# KiCad board FrontEnd_5G.kicad_pcb (continued)
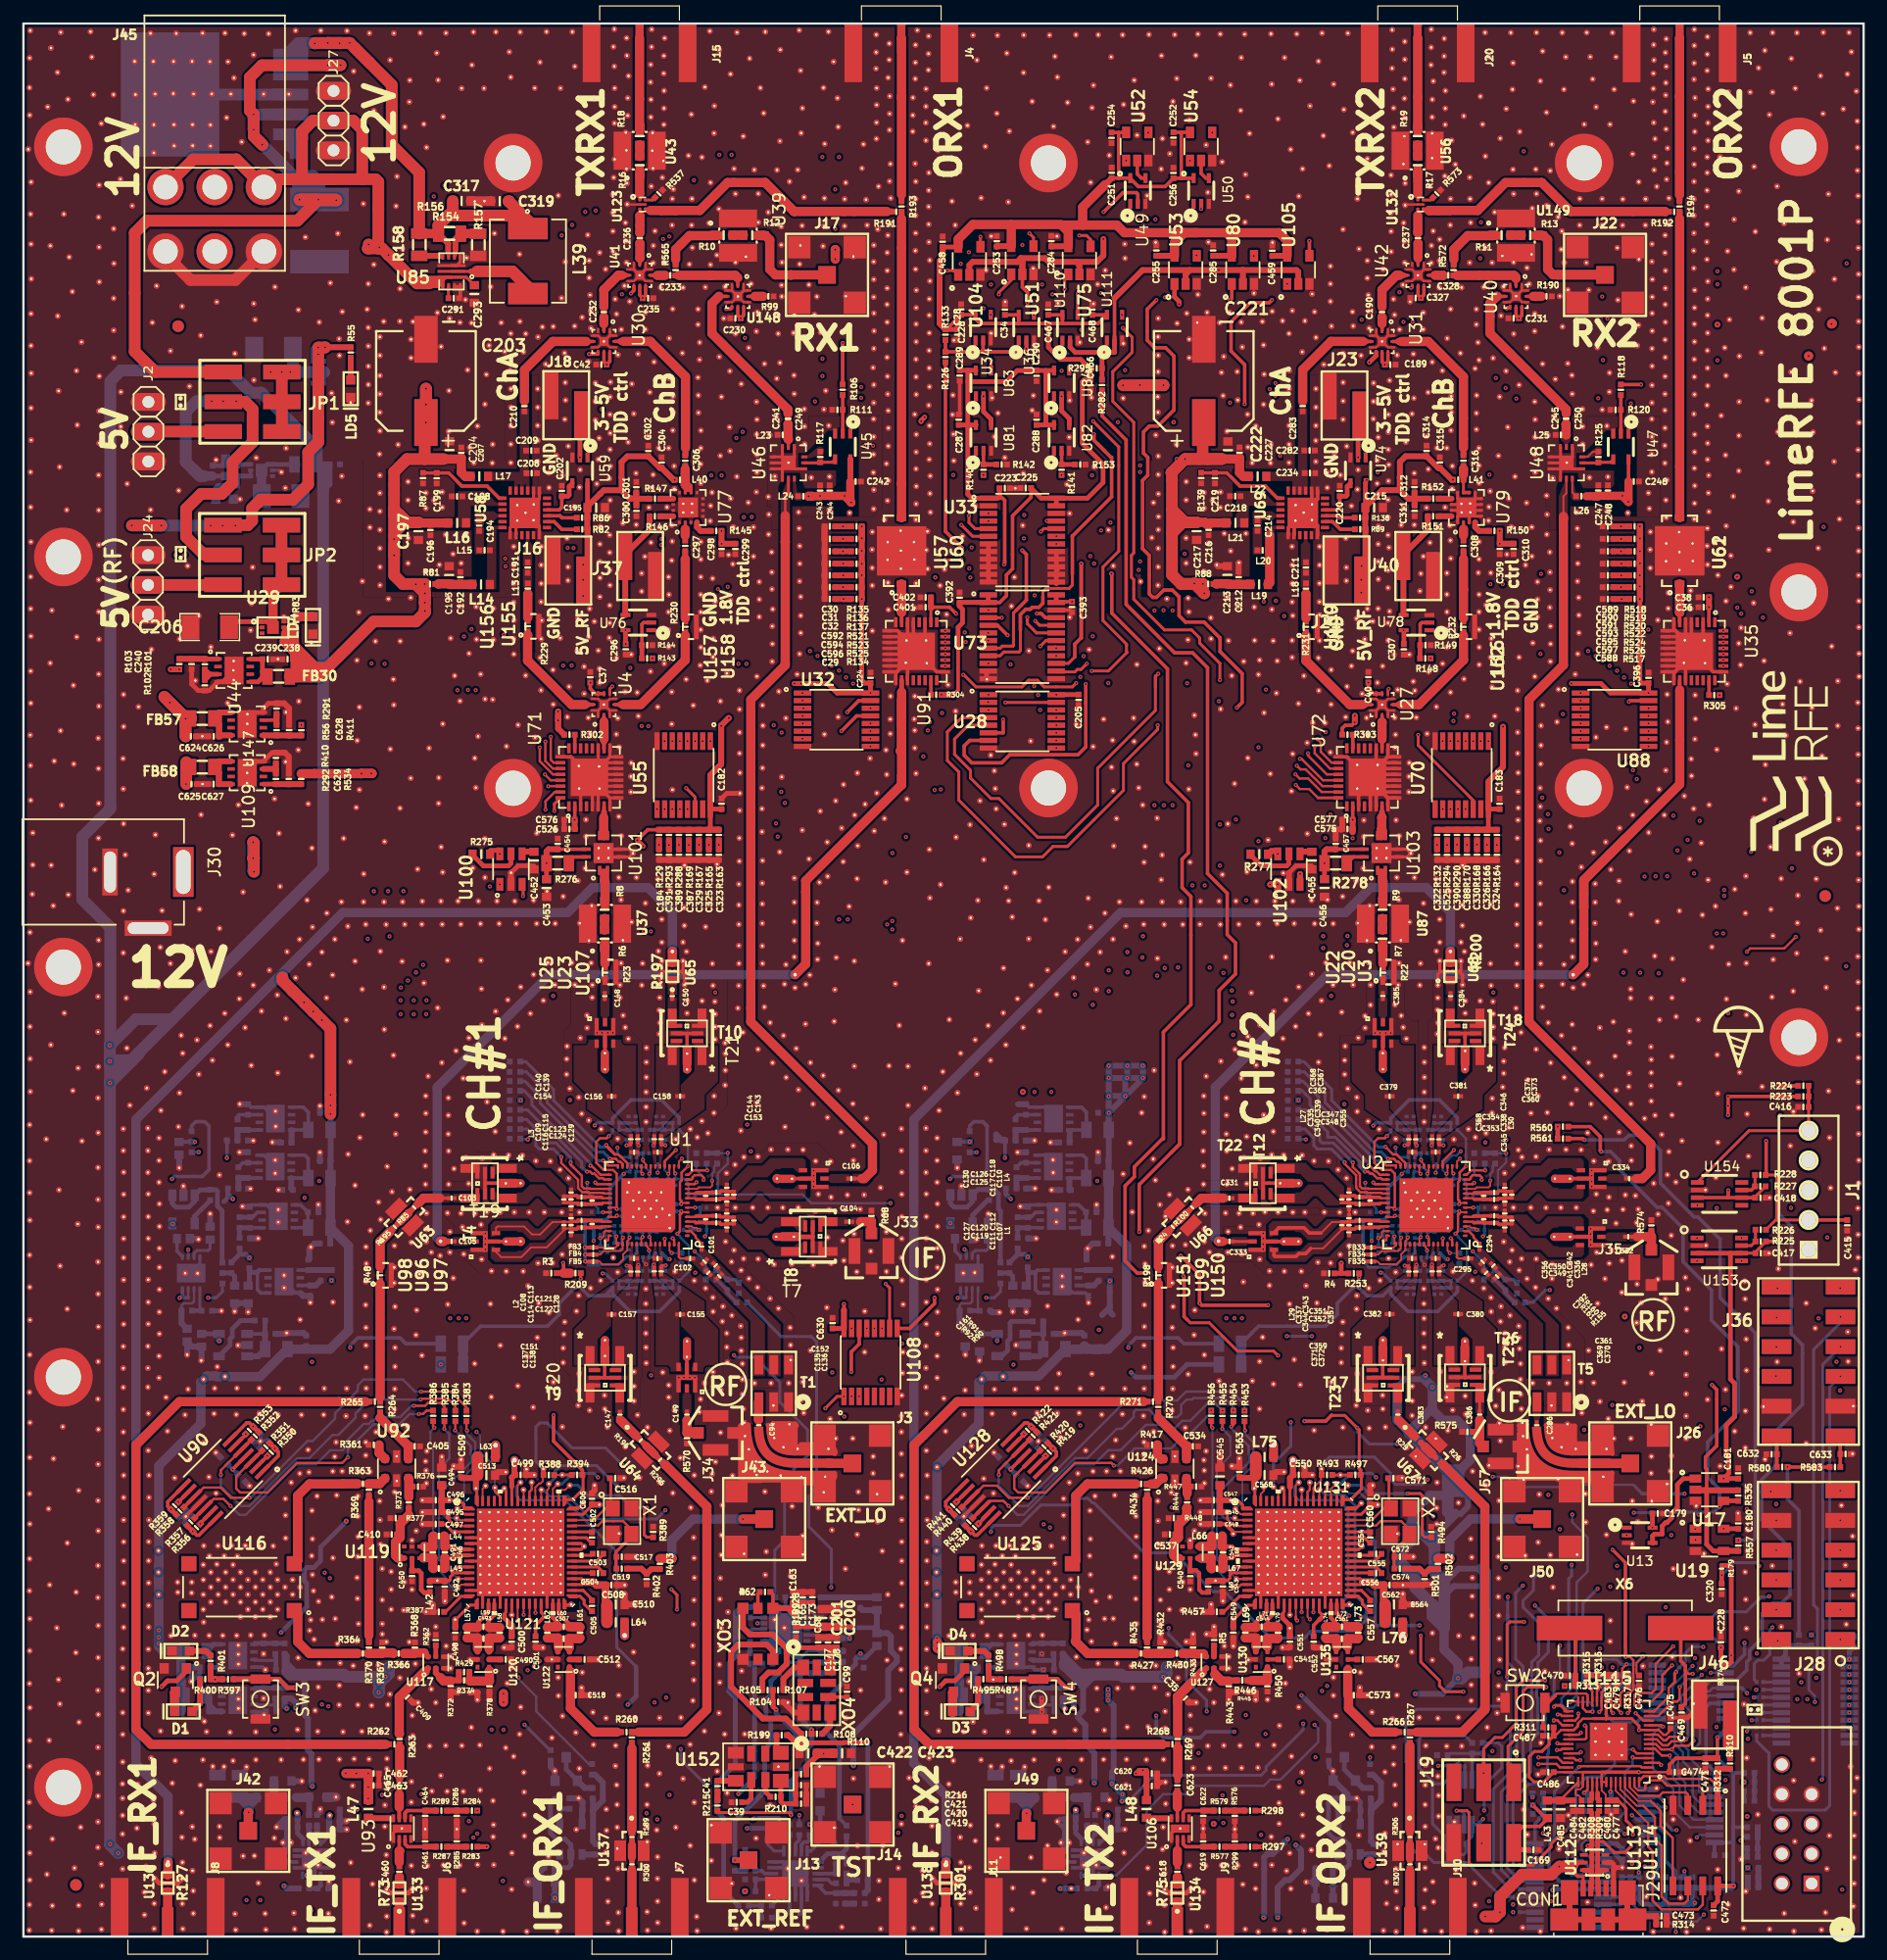
[diagram p0: board, top side]
## Routing (per net, layer and track width the routed paths; a pad name or vN(x,y) marks a point on that pad's centre or on a via; arc(x,y) is an arc through that point) (continued)
  F.RO w0.25: 124.69,15.31 124.69,16.03 125.65,16.99 126.29,16.99 127.48,18.18 127.48,21.29 128.05,21.86 v2(129.93,21.86)
  F.RO w0.3: 124.69,15.31 J19.3
  F.FR4 w0.2: v2(129.93,21.86) 130.17,21.86 130.8,22.49 131.88,22.49 132.95,23.56 135.51,23.56 135.7,23.37 v2(135.7,22.98)
  F.FR4 w0.25: v2(125.15,3.01) 124.58,3.59 120.15,3.59 119.63,3.06 117.1,3.06 116.6,3.56 115.47,3.56 115.03,3.12 100.54,3.12 100.23,3.44 97.1,3.44 96.68,3.01 80.68,3.01 79.87,3.83 77.79,3.83 76.98,4.64 75.11,4.64 72.69,7.06 68.05,7.06 65.07,10.04 v2(62.3,10.04) 55.48,10.04 55,10.53 v2(53.21,10.53) ; v2(115.5,39.19) 116.03,39.19 118.09,37.13 121.25,37.13 123.87,34.5 129.78,34.5 130.04,34.77 v2(131.19,34.77)
  B.FR4 w0.2: 137,19.59 v2(137,19.08) ; v2(125.15,3.01) 125.73,3.59 125.73,13.08 124.84,13.97 124.69,13.97
  B.FR4 w0.25: v2(131.19,34.77) 131.19,28.06 130.62,27.49 130.62,24.92 130.62,24.66 129.24,23.28 129.24,22.11 129.49,21.86 v2(129.93,21.86) ; v2(53.21,10.53) 52.7,11.03 52.7,18.47 52.71,18.48 52.71,19.9 53.19,20.38 53.19,35 49.06,39.14 v2(49.06,39.19) 49.06,40.23 54,45.17 54,46.72 56.02,48.74 56.02,56.01 56.77,56.76 56.77,62.55 58.08,63.86 v2(58.08,64.58) ; 124.69,13.97 v2(124.69,13.95) ; 137,19.59 136.43,20.17 136.43,22.68 136.23,22.88 135.8,22.88 v2(135.7,22.98) ; v2(124.52,64.58) 124.52,63.79 123.21,62.48 123.21,54.88 124.28,53.81 124.28,43.04 126,41.32 126,41.11
  B.FR4 w0.4: 126,41.11 126,40.1 131.19,34.91 v2(131.19,34.77)
  B2.RO w0.2: v2(58.08,64.58) 58.08,64.8 57.45,65.43 R208.2 ; 112.08,38.63 112.4,38.63 ; R252.2 123.89,65.11 124.06,64.94 124.38,64.94 124.52,64.8 v2(124.52,64.58)
  B2.RO w0.25: v2(49.06,39.19) 48.71,39.54 46.91,39.54 46,38.63 45.63,38.63 ; v2(115.5,39.19) 115.15,39.54 113.35,39.54 112.44,38.63 112.08,38.63 ; 64.55,10.11 64.56,10.12 R76.2 ; v2(124.69,13.95) 124.68,13.95
  B2.RO w0.3: v2(62.3,10.04) 62.37,10.11 64.55,10.11
SDIO_2: length 211.6
  F.RO w0.2: v2(123.87,64.33) 123.76,64.21 U2.12 ; v2(57.47,64.38) 57.31,64.21 U1.12
  F.RO w0.25: v2(55.33,29.63) 55.81,29.15 v2(55.81,27.92)
  F.RO w0.3: v2(144.19,47.08) 144.59,46.68 144.59,41.89 143.63,40.93 143.63,40 143.73,39.9 143.73,38.11 143.7,38.08
  F.RO w0.4: 145.18,32.91 144.3,32.91 143.73,33.48 143.73,37.93 143.52,38.14 U17.2
  F.RO w0.5: U17.2 142.82,38.08 R535.2 ; 145.18,32.91 145.19,32.92 R557.2
  F.FR4 w0.2: v2(57.47,64.38) 57.96,63.89
  F.FR4 w0.25: 114.36,72.37 115.73,72.37 119.55,68.55 119.55,67.5 120.3,66.75 121.35,66.75 123.77,64.33 v2(123.87,64.33) ; 114.36,72.37 114.3,72.37 ; 114.36,72.37 113.91,72.37 113.27,71.73 112.84,71.73 112.34,72.23 110.69,72.23 ; 110.69,72.23 110.62,72.23 ; 110.69,72.23 108.16,72.23 106.75,70.81 101.26,70.81 101.07,71 91.9,71 89.54,68.65 80.45,68.65 79.18,67.38 77.74,67.38 77.09,68.03 74.94,68.03 73.76,66.84 67.29,66.84 66.29,65.84 61.95,65.84 61.31,65.2 ; 61.31,65.2 61.31,65.21 62.11,66.01 v2(62.11,67.01) ; 61.31,65.2 59.99,63.89 57.96,63.89 ; 64.68,12.45 62.75,12.45 61.92,11.62 59.61,11.62 v2(58.38,12.85)
  F.FR4 w0.3: 64.68,12.45 66.26,10.87 v2(66.26,10.36) ; v2(123.87,64.33) 124.39,63.81 132.22,63.81 133.47,62.56 136.04,62.56 136.18,62.7 137.08,62.7 137.12,62.66 139.61,62.66 140.14,63.19 143.44,63.19 144.46,62.17 v2(144.59,62.17)
  B.FR4 w0.25: 144.19,52.84 144.98,53.62 144.98,61.21 144.59,61.59 v2(144.59,62.17) ; 55.35,29.61 v2(55.33,29.63) 54.5,30.46 54.5,34.23 56.14,35.87 56.14,36.78 57.93,38.57 57.93,40.5 58.93,41.5 58.93,43.63 60.07,44.77 60.07,46.96 59.79,47.24 59.79,48.47 58.38,49.88 58.38,53.57 58.7,53.89 58.96,53.89 59.84,54.77 59.94,54.77 59.94,58.54 61.39,59.99 61.39,63.12 62.11,63.84 62.11,65.18 ; v2(55.81,27.92) 56.12,27.61 56.12,20.4 55.29,19.57 55.29,16.91 56.13,16.07 v2(56.13,16) ; 62.11,65.18 62.11,65.84 ; 62.11,65.18 v2(62.11,67.01)
  B.FR4 w0.3: v2(144.19,47.08) 144.19,52.84
  B2.RO w0.25: 58.1,13.13 56.13,15.1 v2(56.13,16) ; 58.1,13.13 v2(58.38,12.85) 58.1,13.13 ; R77.2 66.25,10.35 v2(66.26,10.36)
SDO_2: length 92.1
  F.RO w0.2: v2(58.39,65.39) 57.17,65.39 56.79,65.01 U1.14 ; v2(124.83,65.39) 123.61,65.39 123.23,65.01 U2.14
  F.RO w0.4: v2(131.01,69.12) R561.2
  F.FR4 w0.25: 119.16,70.17 116.36,72.97 106.71,72.97 105.74,72 103.6,72 102.96,72.64 97.32,72.64 96.99,72.3 92.2,72.3 90.87,70.98 ; v2(58.39,65.39) 58.39,65.9 60.08,67.59
  F.FR4 w0.3: 90.87,70.98 89.46,69.56 77.98,69.56 77.51,70.03 73.67,70.03 72.77,69.14 71.45,69.14 70.04,67.73 68.62,67.73 68.16,68.19 60.67,68.19 60.08,67.59 ; 121.03,70.17 119.16,70.17 ; 121.03,70.17 124.27,66.93 124.27,65.62 124.51,65.39 v2(124.83,65.39) ; 121.03,70.17 121.84,70.97 126.25,70.97 128.1,69.12 v2(131.01,69.12)
  B2.RO w0.2: v2(58.39,65.39) 58.35,65.43 R207.1 ; v2(124.83,65.39) 124.79,65.43 R251.1
Vdio: length 1474.8
  F.RO w0.1: 115.29,106.06 114.85,106.5 C40.2
  F.RO w0.15: 136,11.85 C477.1 ; C476.1 137.75,22.48 137.75,23.37 v2(138.28,23.9) ; C482.1 133.05,11.79 132.79,12.05 132.65,12.05 132.52,12.18 132.52,12.43 132.66,12.57 132.94,12.57 133.16,12.79 U115.44 ; U115.48 134.76,12.47 135.11,12.12 135.11,11.78 C480.1
  F.RO w0.2: 130.67,14.03 U115.42 133.16,14.03 U115.44 ; C474.1 138.8,14.03 U115.1 138.8,14.03 v2(137.94,14.03) 137.94,14.03 ; v2(137.95,17.63) 137.96,17.63 U115.10 ; 132.4,17.63 132.74,17.97 132.6,17.83 ; 132.4,17.63 132.6,17.83 ; 132.4,17.63 U115.33 ; 132.4,17.63 U115.33 ; C487.1 130.79,17.13 131.29,17.63 U115.33 ; 132.6,17.83 132.74,17.97 132.74,18.18 133.16,18.6 134.04,18.6 ; v2(136.89,23.24) 136.52,22.87 136.52,21.72 136.22,21.42 C479.2 136.03,21.14 135.73,20.84 135.44,20.84 135.16,20.56 U115.22 135.16,19.43 ; 140.59,17.56 140.25,17.22 140.05,17.22 139.64,17.63 U115.10 ; 133.05,11.76 C482.1 ; U115.49 U115.48 134.76,14.03 ; U115.10 138.8,17.63 ; U115.33 131.92,17.63
  F.RO w0.25: 58.66,96.22 U55.16 ; 133.16,14.03 134.76,14.03 ; 135.16,19.43 135.16,19.15 135.16,19.17 135.16,18.6 135.15,18.58 135.14,18.58 135.14,18.6 ; 135.14,18.6 137.33,18.6 137.95,17.98 v2(137.95,17.63) ; 135.14,18.6 134.04,18.6 ; C487.1 130.28,16.75 130.28,16.41 129.67,15.8 129.02,15.8 128.58,15.36 128.58,13.6 128.98,13.2 129.83,13.2 C486.1 ; v2(144.64,17) 144.64,15.25 R312.1 ; R225.1 147.9,58.43 147.9,58.31 147.9,58.32 U153.6 ; 147.87,63.14 R227.1 ; C477.1 136.17,11.61 136.85,10.94 136.85,9.91 137.43,9.33 v2(137.43,8.7) ; C459.2 106.66,143.44
  F.RO w0.3: v1(114.84,107.01) 114.85,107.02 C40.2 ; v1(48.43,107) 48.41,107.02 C37.2 48.4,106.5 48.83,106.07 U4.9 U4.8 ; U55.16 58.66,96.22 C182.1 ; 146.01,4.32 v2(146.01,4.32) ; 134.76,14.03 137.94,14.03 ; C474.1 140.56,14.68 141.1,15.22 C471.1 ; J19.2 127.27,8.63 128.04,9.41 129.48,9.41 130.12,10.05 L43.1 129.99,10.11 v2(128.88,11.22) ; v1(52.42,93.56) 52.42,93.57 53.3,94.46 54.79,94.46 ; v2(70.06,53.98) 70.06,51.9 70.06,53.45 ; 145.57,63.06 U154.6 146.74,63.06 147.86,63.06 ; 145.57,63.06 U154.3 ; 145.57,63.06 145.57,63.67 v2(145.58,63.68) ; C225.1 86.04,122.83 84.46,121.25 84.46,116.73 83.94,116.21 83.94,114.43 83.36,113.86 U73.2 ; 84.93,137.66 81.69,137.66 81.3,138.05 U34.5 C226.2 78.82,137.16 R133.2 ; 84.93,137.66 84.93,137.64 84.97,137.64 84.99,137.66 U36.5 84.98,138.4 C34.2 ; 84.93,137.66 88.71,137.66 ; 88.71,137.66 88.71,137.67 88.72,137.66 U110.5 C467.2 ; 88.71,137.66 91.77,137.66 U111.5 92.51,138.4 C468.2 ; U52.5 94.15,153.96 93.52,153.96 ; 93.52,153.96 C254.2 ; 93.52,153.96 93.52,150.07 ; 93.52,150.07 U49.5 94.51,150.04 95.2,149.35 97.49,149.35 C256.2 98.88,150.06 ; 93.52,150.07 C251.2 ; U50.5 99.91,150.06 98.88,150.06 ; U54.5 99.6,153.98 98.87,153.98 ; 98.87,153.98 C252.2 ; 98.87,153.98 98.87,150.06 98.88,150.07 98.88,150.06 ; v1(145.55,70.11) 145.56,70.12 v1(145.56,70.9) v1(145.56,71.7) R223.2 ; v2(150.01,59.35) 149.99,59.33 R225.1 ; R303.1 112.61,103.12 112.86,103.37 113.43,103.37 v1(113.69,103.63) ; v1(79.37,105.94) 79.81,106.38 79.81,110.02 ; U42.8 119.08,140.08 v1(119.33,139.84) 119.58,140.1 U42.9 ; U41.8 52.63,140.09 v1(52.88,139.84) 53.13,140.09 U41.9 ; U39.9 61.5,138.36 v1(61.25,138.11) 61,138.36 U39.8 ; U40.8 127.45,138.36 v1(127.7,138.11) 127.95,138.36 U40.9 127.95,139.04 ; 114.84,107.06 114.84,106.51 115.29,106.06 116.02,106.06 ; U31.9 116.52,134.43 v1(116.25,134.16) 116.02,134.39 U31.8 ; U30.9 50.07,134.43 v1(49.8,134.16) 49.57,134.39 U30.8 ; R132.2 R294.2 ; C418.1 147.87,63.14
  F.RO w0.4: R165.2 58.66,94.58 U55.16 C182.1 ; C183.1 125.1,96.22 U70.16 125.09,96.22 125.09,94.58 R166.2 ; v1(132.18,106.94) 134.7,106.94 135.51,106.12 v1(138.77,106.12) C396.1 138.13,106.97 138.03,107.08 v1(138.03,110.22) v1(138.03,110.75) v1(138.03,114.15) ; 69.5,106.12 68.69,106.93 65.84,106.93 v1(65.83,106.94) ; 69.5,106.12 68.68,106.94 v1(66.4,106.94) ; 69.5,106.12 v1(72.33,106.12) C224.1 71.83,106.97 71.59,107.21 v1(71.59,114.15) ; v1(65.83,106.94) v1(66.4,106.94) ; v1(65.83,106.94) v1(66.4,106.94) ; 144.67,4.32 U113.8 ; U113.8 144.67,3.01 C472.1 ; U113.8 146.01,4.32 ; C179.1 139.1,34.9 v2(139.11,34.9) ; C181.1 145.17,39.09 v2(145.17,39.09) 145.63,39.54 145.63,41.03 145.4,41.26 145.4,43.64 146.12,44.36 146.12,47.21 145.76,47.57 145.76,58.32 ; C180.1 145.18,34.81 v2(145.18,34.81) ; 52.76,93.2 52.42,93.54 52.42,93.57 ; 52.42,93.57 v1(52.42,93.56) ; 52.42,93.57 v1(52.42,93.56) ; v1(52.42,93.56) v1(52.93,93.05) ; C226.2 79.75,138.09 C28.2 R133.2 ; 87.52,137.66 87.52,135.63 88.55,134.6 90.28,134.6 91.04,133.84 R295.2 91.12,133.76 C466.2 90.58,132.85 90.42,132.69 90.42,127.43 92.19,125.66 92.19,124.09 90.86,122.75 U33.24 ; U104.5 79.8,144.19 C458.2 ; 145.76,58.32 U153.6 ; 145.76,58.32 U153.3 ; J19.2 127.87,7.41 C169.1 ; 70.06,51.9 U108.16 C630.1 ; v1(88.2,105.98) 88.21,105.99 C205.1 ; 79.81,110.02 79.81,111.74 80.19,112.12 80.19,113.27 79.91,113.55 79.91,113.86 80.02,113.86 ; 80.02,113.86 81.37,113.86 81.38,113.86 U73.2 ; 80.02,113.86 82.39,113.86 U73.2 ; U73.2 U73.1 ; U33.24 86.9,122.75 C225.1 ; U33.24 U33.23 ; v2(155.91,23.67) 155.91,23.67 ; C487.1 R311.1
  F.RO w0.5: 58.66,99.12 59.58,100.05 ; 58.66,99.12 59.58,100.05 ; 58.66,99.12 U55.16 ; v1(126.34,103.26) 126.34,99.82 125.1,98.58 U70.16 ; 59.58,100.05 v1(59.58,103.32) 59.58,103.36 ; 59.58,100.05 59.58,103.36 ; 59.58,103.36 60.21,103.99 v1(60.24,103.99) ; R316.2 v2(134.2,22.32) 133.5,22.32 R315.2 ; R133.2 78.23,137.66 78.23,142.99 78.49,143.25 C458.2 ; 106.66,143.44 U105.5 ; U75.5 87.78,144.25 C284.2 ; U51.5 83.14,144.26 C253.2 ; 84.35,146.09 84.33,146.11 ; 88.65,146.06 88.6,146.11 ; 90.45,147.59 C251.2 ; 45.66,103.09 R302.1 ; 45.66,103.09 v1(45.66,103.79) 45.66,104.27 ; 45.66,103.09 45.66,103.77 ; 45.66,103.77 v1(45.66,104.55) 45.66,103.77 ; v1(71.59,118.26) R137.2 ; R137.2 R136.2 ; R137.2 v1(71.59,117.16) ; v1(71.59,119.34) R136.2 ; R136.2 v1(71.59,120.35) ; R136.2 v1(71.59,120.35) ; R136.2 v1(71.59,120.35) ; v1(138.02,115.22) 138.03,115.21 R526.2 ; R526.2 v1(138.03,114.15) v1(138.03,120.35) ; R526.2 v1(138.03,116.17) ; R526.2 v1(138.03,116.17) ; v1(138.04,117.19) 138.03,117.18 R522.2 ; R522.2 v1(138.03,118.22) ; R522.2 v1(138.03,118.22) ; R522.2 v1(138.03,116.17) ; v1(138.03,119.32) R519.2 ; R519.2 v1(138.03,120.35) ; R519.2 v1(138.03,118.22) ; R519.2 v1(138.03,120.35) ; v1(144.65,137.57) 144.64,137.57 ; v1(146.33,116.05) 146.34,116.05 ; v1(79.37,105.94) 79.33,105.98 v1(78.39,105.98) ; C471.1 R312.1 ; R129.2 R293.2 R288.2 R169.2 R167.2 R165.2 ; v1(71.59,116.17) R525.2 v1(71.59,114.15) ; v1(71.59,116.17) v1(71.59,117.16) ; v1(71.59,116.17) v1(71.59,117.16) ; R165.2 R163.2 R165.2 ; R294.2 R290.2 R170.2 R168.2 R166.2 ; C285.2 U80.5 ; C480.1 C477.1 ; C255.2 U53.5 ; v1(113.69,104.19) v1(113.69,103.63) ; R132.2 R164.2 ; 70.06,51.9 70.06,53.45
  F.RO w0.79: 88.6,146.11 81.07,146.11 79.82,144.86 U104.5 ; 100.18,145.41 99.13,145.41 98.29,144.57 U53.5 ; 100.18,145.41 102.73,145.41 ; 100.18,145.41 94.02,145.41 93.37,146.06 90.45,146.06 ; U105.5 107.91,144.73 107.23,145.41 102.73,145.41 ; 102.73,145.41 103.18,144.96 U80.5 ; 90.45,146.06 90.45,147.59 92.37,149.51 ; 90.45,146.06 88.65,146.06 89.22,145.49 U75.5 ; v1(152.44,134.89) 152.43,134.89 ; 154.44,137.66 154.45,137.66 154.43,137.66 v1(154.39,137.62) ; U51.5 84.35,146.09
  F.FR4 w0.25: v2(137.43,8.7) 137.39,8.7 136.33,7.64 134.5,7.64 133.89,8.25 133.22,8.25 133.04,8.07 129.55,8.07 129.12,8.5 129.12,9.18 128.88,9.42 v2(128.88,11.22) ; 154.51,24.89 154.67,24.89 155.89,23.67 v2(155.91,23.67) 154.75,24.82 154.58,24.82 ; 154.51,24.89 153.66,25.74 ; 154.51,24.89 154.58,24.82 ; 153.66,25.74 152.69,25.74 153.66,25.74 ; 153.66,25.74 v2(152.67,25.74) ; 153.66,25.74 154.58,24.82
  F.FR4 w0.3: 54.61,138.15 52.92,139.84 v1(52.88,139.84) 51.9,138.86 51.6,138.86 ; 54.61,138.15 58.33,138.15 58.96,137.52 60.66,137.52 v1(61.25,138.11) 63.26,138.11 64.2,139.05 65.6,139.05 ; 54.61,138.15 54.37,137.91 52.55,137.91 51.6,138.86 ; 117.46,140.37 117.62,140.21 117.62,140.2 118.97,140.2 v1(119.33,139.84) 120.93,138.24 125.17,138.24 125.95,137.46 126.75,137.46 127.4,138.11 v1(127.7,138.11) 128.22,138.11 128.52,137.81 130.4,137.81 132.52,139.93 134.78,139.93 136.97,142.12 139.21,142.12 139.92,141.41 142.52,141.41 143.23,142.12 v1(144.65,142.12) ; 65.6,139.05 68.51,139.05 70.17,140.71 72.92,140.71 73.64,141.43 76.3,141.43 76.92,142.05 78.13,142.05 78.51,141.67 109.49,141.67 110.82,140.34 112.31,140.34 112.74,140.77 115.89,140.77 116.32,140.34 v1(117.5,140.34) ; 65.6,139.05 65.59,139.04 ; 73.34,86.81 v1(74.2,85.95) ; 73.34,86.81 73.48,86.67 ; 73.34,86.81 v1(70.39,86.81) ; 138,110.22 139.76,110.22 141.5,111.96 145.29,111.96 146.23,112.9 v1(146.68,112.9) 146.68,113.08 v1(146.35,113.42) 145.86,113.42 144.89,112.45 141.23,112.45 139.53,110.75 138.04,110.75 ; 137.8,139.3 139.17,139.3 139.92,138.55 140.69,138.55 141.95,139.81 143.04,139.81 143.55,140.32 143.67,140.32 144.36,141.01 v1(144.65,141.01) ; 137.8,139.3 137.79,139.31 ; 137.8,139.3 136.56,138.06 133.31,138.06 131.69,136.44 128.11,136.44 127.11,135.44 126.07,135.44 124.76,136.75 122.45,136.75 121.48,137.72 118.71,137.72 118.63,137.8 117.85,137.8 ; 51.6,138.86 51.23,138.86 51.11,138.98 v1(51.11,140.16) ; 128.88,10.27 128.64,10.03 v2(124.64,10.03) ; v2(142.72,2.87) 142.72,1.32 142.57,1.17 141.04,1.17 140.02,2.19 133.32,2.19 132.5,3.01 v2(130.43,3.01) ; v1(138.03,110.75) v1(138.03,110.22) ; v2(147.16,36.5) 147.16,35.44 146.53,34.81 v2(145.18,34.81) 144.58,35.41 141.34,35.41 140.83,34.9 v2(139.11,34.9) ; v1(118.62,137.8) v1(117.84,137.8)
  F.FR4 w0.4: 65.24,87.42 68.36,87.42 68.97,86.81 v1(70.39,86.81) ; 65.24,87.42 65.22,87.42 ; 65.24,87.42 62.39,87.42 62.27,87.3 60.33,87.3 ; 60.33,87.3 60.24,87.3 ; 60.33,87.3 57.63,87.3 57.3,86.97 55.66,86.97 54.92,86.23 54.03,86.23 v1(53.58,85.78) ; 52.99,85.73 53.04,85.78 v1(53.58,85.78) ; v1(74.2,86.67) 74.05,86.67 v1(73.76,86.38) 73.84,86.38 73.78,86.44 ; v1(74.2,86.67) 74.06,86.81 73.34,86.81 73.72,86.43 ; v1(74.2,86.67) 74.2,86.02 ; v1(74.2,86.67) 73.48,86.67 73.72,86.43 ; 74.2,86.02 v1(74.2,85.95) ; 74.2,86.02 73.78,86.44 ; v1(74.2,85.95) 73.78,86.37 73.78,86.44 ; v1(74.2,85.95) 73.72,86.43 ; 131.47,104.34 130.18,104.34 129.82,103.98 127.51,103.98 126.79,103.26 v1(126.34,103.26) ; 147.61,114.76 147.38,114.76 146.03,113.42 ; 146.99,112.59 148.56,112.59 ; 146.99,112.59 147.01,112.56 v1(148.54,112.56) ; 146.99,112.59 v1(146.68,112.9) 146.35,113.24 v1(146.35,113.42) 146.35,113.78 147.37,114.81 v1(147.57,114.81) ; 64.72,102.73 64.74,102.73 64.79,102.68 ; v1(53.58,85.78) v1(52.99,85.78) ; 122.1,103.37 122.1,104.31 122.21,104.42 ; 122.21,104.42 v1(122.16,104.37) 122.16,104.02 121.51,103.37 ; 122.21,104.42 122.21,103.89 122.73,103.37 ; v2(146.01,4.32) 146.01,3.61 146.61,3.01 154.3,3.01 v2(155.3,4.01)
  F.FR4 w0.5: 77.12,97.84 73.73,97.84 71.13,100.44 65.96,100.44 64.79,101.61 64.79,102.68 63.42,104.05 63.37,104 ; 77.12,97.84 77.12,97.85 v1(77.81,97.85) 78.33,97.85 78.34,97.84 79.15,97.84 ; 77.12,97.84 79.15,97.84 ; v1(126.34,103.26) 126.23,103.37 118.03,103.37 117.92,103.26 116.46,103.26 114.95,104.77 114.84,104.77 ; v1(144.83,105.95) 144.09,105.21 139.69,105.21 v1(138.77,106.12) ; 63.37,104 60.26,104 v1(59.58,103.32) ; 63.37,104 63.45,104 v1(64.07,103.38) 64.72,102.73 ; 79.15,97.84 82.97,94.02 88.91,94.02 91.83,96.94 91.83,98.06 92.81,99.04 101.42,99.04 104.95,102.57 107.09,102.57 108.19,103.67 109.24,103.67 109.88,104.31 112.01,104.31 112.47,104.77 ; v1(78.39,105.98) 79.56,105.98 81.53,107.95 83.11,107.95 83.18,107.88 86.3,107.88 v1(88.2,105.98) ; v1(78.39,105.98) 77.91,106.46 73.16,106.46 72.85,106.15 72.31,106.15 v1(72.33,106.12) ; v1(78.39,105.98) 78.43,105.94 v1(79.37,105.94) ; 53.23,105.38 53.82,105.97 54.39,105.97 57.04,103.32 v1(59.58,103.32) ; 53.23,105.38 53.23,103.56 52.98,103.31 52.81,103.31 ; 53.23,105.38 53.21,105.36 51.15,105.36 50.43,106.08 49.02,106.08 48,107.1 ; 48,107.1 47.6,107.5 46.4,107.5 43.4,104.5 34.38,104.5 33.28,103.4 v2(23.73,103.4) ; 48,107.1 48.33,107.1 v1(48.43,107) ; 52.81,103.31 53.36,103.31 v1(53.37,103.3) ; 52.81,103.31 v1(52.8,103.31) ; v1(59.58,103.32) 59.58,103.33 v1(60.24,103.99) ; 112.47,104.77 113.41,104.77 ; 112.47,104.77 113.11,104.77 v1(113.69,104.19) ; 113.41,104.77 114.84,104.77 ; 113.41,104.77 113.71,104.47 ; 113.69,104.49 113.71,104.47 ; 113.69,104.49 113.69,104.76 113.71,104.78 113.71,104.47 ; 113.69,104.49 v1(113.69,104.19) ; 113.69,104.49 v1(113.69,104.19) ; 114.84,104.77 114.27,104.77 v1(113.69,104.19) ; v1(113.69,104.19) v1(113.69,103.63) ; 147.57,115.17 146.77,115.97 145.55,115.97 144.96,115.38 ; 147.57,115.17 146.69,116.05 v1(146.33,116.05) 145.62,116.05 144.96,115.38 ; 147.57,115.17 v1(147.57,114.81) 147.57,115.17 ; 144.96,115.38 143.74,115.38 143.35,115.77 140.11,115.77 139.14,114.8 139.14,113.85 137.85,112.56 135.38,112.56 134.42,113.52 132.01,113.52 131.39,114.14 130.19,114.14 129.51,113.46 128.41,113.46 ; 133.31,138.06 133.32,138.07 v1(135.26,138.07) 136.55,138.07 136.56,138.06 ; 135.93,141.08 135.93,141.02 134.87,139.96 v1(134.81,139.96) ; 144.67,137.57 143.59,137.57 142.87,136.85 142.16,136.85 141.98,137.03 140.02,137.03 139.3,136.31 138.56,136.31 138.33,136.54 v1(135.26,136.54) ; 144.69,134.52 143.55,134.52 142.88,133.85 142.28,133.85 142.16,133.97 139.9,133.97 139.21,133.28 138.17,133.28 136.91,134.54 v1(134.88,134.54) ; v2(155.64,82.81) 154.7,81.87 148.65,81.87 v2(145.58,78.8)
  F.FR4 w0.79: 153.78,120.21 152.27,120.21 148.11,116.05 v1(146.33,116.05) ; 152.42,134.89 150.52,134.89 148.88,133.25 146.78,133.25 145.51,134.52 v1(144.65,134.52) ; 153.08,137.66 152.58,138.16 150.91,138.16 149.49,136.74 145.48,136.74 v1(144.65,137.57) ; 153.08,137.66 154.45,137.66 ; 153.08,137.66 153.12,137.62 v1(154.39,137.62) ; 155.71,142.79 154.7,143.8 148.73,143.8 147.98,143.05 145.44,143.05 144.65,142.26 v1(144.65,142.12)
  B.FR4 w0.25: 137.73,8.25 138.09,7.89 138.09,6.93 v2(137.36,6.2) ; 137.73,8.25 137.44,8.54 ; 137.73,8.25 137.44,8.54 ; 137.44,8.54 137.43,8.55 v2(137.43,8.7) ; v2(138.28,23.9) 137.58,24.6 137.58,25.56 137.58,26.03 137.97,26.42 137.97,28.05 138.64,28.72 138.64,30.25 138.36,30.53 138.36,34.65 138.61,34.9 v2(139.11,34.9) ; 146.34,94.15 146.34,96.15
  B.FR4 w0.3: v1(114.84,107.01) 114.14,107.01 113.69,106.56 v1(113.69,104.19) v1(113.69,103.63) ; v1(48.43,107) 47.75,107 47.26,106.51 47.26,106.15 v1(45.66,104.55) 45.66,104.27 ; v1(138.77,106.12) 138.77,106.12 ; v2(137.95,17.63) 137.95,14.04 v2(137.94,14.03) ; v1(52.88,139.84) 52.88,139.84 ; v1(61.25,138.11) 61.25,138.12 61.25,138.12 ; 49.8,134.16 v1(49.8,134.16) 50.24,134.6 50.24,137.93 49.87,138.3 49.87,139.87 50.37,140.37 50.9,140.37 v1(51.11,140.16) ; 116.26,134.16 116.25,134.16 v1(116.25,134.16) 116.76,134.67 116.76,137.72 ; 119.33,139.84 v1(119.33,139.84) 119.13,139.64 119.13,138.99 118.62,138.48 v1(118.62,137.8) v1(117.84,137.8) ; v1(127.7,138.11) 127.7,138.11 ; 116.76,137.72 116.76,137.79 116.3,138.25 116.3,140.13 116.59,140.42 117.42,140.42 v1(117.5,140.34) 117.84,140 v1(117.84,137.8) ; 116.76,137.72 116.84,137.8 v1(117.84,137.8) ; 69.27,60.3 69.19,60.22 ; 69.19,60.22 69.43,60.46 69.43,62.41 69.69,62.67 69.69,67.51 69.15,68.05 69.15,69.2 69.76,69.81 69.76,71.25 70.41,71.9 70.41,86.79 v1(70.39,86.81) ; 69.19,60.22 69.19,58.15 69.54,57.8 69.54,54.51 v2(70.07,53.98) ; v1(53.37,103.3) 53.36,103.31 v1(52.8,103.31) 52.33,102.84 52.33,101.69 51.03,100.39 51.03,97.18 51.93,96.28 51.93,94.05 v1(52.42,93.56) ; 146.34,103.51 147.31,104.48 147.31,112.27 v1(146.68,112.9) ; v1(146.68,112.9) 146.58,112.9 ; v1(146.68,112.9) 146.35,113.24 v1(146.35,113.42) ; v1(146.35,113.42) 146.35,113.42 ; v1(146.35,113.42) 146.52,113.59 ; 77.81,97.13 77.81,94.71 74.2,91.1 v1(74.2,86.67) 74.2,85.91 v1(74.2,85.95) ; 77.81,97.13 v1(77.81,97.85) ; 77.81,97.13 78.33,97.65 v1(78.33,97.9) ; v1(77.81,97.85) 78.28,97.85 78.31,97.88 ; v1(77.81,97.85) 77.84,97.82 ; v1(77.81,97.85) 77.84,97.82 ; v1(78.33,97.9) 78.33,97.85 v1(78.33,97.9) ; v1(78.33,97.9) 78.31,97.88 ; 77.99,97.67 77.99,97.57 ; 77.99,97.67 78.1,97.67 78.31,97.88 ; 77.99,97.67 77.84,97.82 ; v1(145.56,71.7) 145.58,71.7 ; v1(145.56,71.7) 145.58,71.7 ; v1(145.56,71.7) 145.58,71.7 ; 145.58,71.7 v2(145.58,78.8) 145.58,78.79 144,80.37 144,82.64 146.18,84.82 146.18,88.03 146.95,88.8 146.95,89.59 146.34,90.2 146.34,94.15 ; 145.58,71.7 145.58,70.9 ; v1(145.56,70.9) 145.58,70.9 ; v1(145.56,70.9) 145.58,70.9 ; v1(145.56,70.9) 145.58,70.9 ; 145.58,70.9 145.58,70.11 ; v1(145.55,70.11) 145.58,70.11 ; v1(145.55,70.11) 145.58,70.11 ; v1(145.55,70.11) 145.58,70.11 ; 145.58,70.11 v2(145.58,63.68) 146.12,63.68 150,59.8 150,59.36 v2(150.01,59.35) ; 144.59,126.64 144.57,126.66 ; v2(147.16,36.5) 147.16,37.11 145.18,39.09 v2(145.17,39.09) ; v1(144.65,141.01) 144.65,141.09 v1(144.65,141.01)
  B.FR4 w0.4: v1(132.18,106.94) 132.18,105.55 131.75,105.12 131.75,104.62 v1(131.46,104.33) ; 65.83,106.29 v1(65.83,106.94) ; 65.83,106.29 64.07,104.53 64.07,103.37 v1(64.07,103.38) 64.7,102.75 v1(64.74,102.75) ; 65.83,106.29 v1(65.83,106.94) ; v1(65.83,106.94) v1(66.4,106.94) ; v1(88.2,105.98) 88.2,105.98 ; v1(52.99,85.78) 52.99,86.85 51.98,87.86 51.98,88.56 53.22,89.8 53.22,92.76 v1(52.93,93.05) 52.76,93.22 ; v1(52.99,85.78) 52.99,85.73 ; v1(52.99,85.78) v1(53.58,85.78) 53.59,85.77 ; 52.76,93.2 52.77,93.21 52.76,93.2 ; 52.76,93.2 52.76,93.22 ; 52.76,93.22 v1(52.42,93.56) ; 70.36,86.81 v1(70.39,86.81) ; 70.36,86.81 v1(69.65,86.81) 69.92,86.81 70.41,86.32 70.41,86.76 70.36,86.81 ; v1(73.76,86.38) 73.91,86.38 v1(74.2,86.67) ; 146.34,94.15 146.34,103.51 ; 146.34,96.15 149.56,99.37 149.56,111.42 ; 149.56,111.42 148.54,112.45 v1(148.54,112.56) ; 149.56,111.42 149.56,111.54 v1(148.54,112.56) ; v1(148.54,112.56) 148.5,112.6 148.5,113.88 v1(147.57,114.81) ; 122.75,105.81 122.75,106.5 122.17,107.08 122.17,108.72 121.6,109.29 121.23,109.29 120.49,110.03 120.49,116.64 120.96,117.11 120.96,119.14 119.94,120.16 119.94,120.65 120.6,121.31 120.6,122.09 119.35,123.34 119.35,125.38 118.86,125.87 118.86,128.69 119.31,129.14 119.31,132.01 117.97,133.35 117.97,136.12 118.62,136.77 v1(118.62,137.8) ; 122.75,105.81 122.75,105.72 ; 122.75,105.81 122.75,104.96 v1(122.16,104.37) ; v1(122.16,104.37) 122.16,103.8 v1(122.1,103.74) 122.1,104.31 v1(122.16,104.37) ; v2(130.43,3.01) 129.12,4.32 129.12,9.33 128.88,9.57 v2(128.88,11.22) ; v2(155.91,23.67) 156.35,23.67 156.64,23.37 156.64,16.24 155.3,14.9 v2(155.3,4.01) ; 147.31,112.27 v1(146.68,112.9) 146.35,113.24 v1(146.35,113.42) 146.52,113.59
  B.FR4 w0.5: 72.33,106.13 v1(72.33,106.12) 71.59,106.87 71.59,114.09 ; 71.59,114.09 v1(71.59,114.15) ; 71.59,114.09 v1(71.59,116.17) v1(71.59,117.16) v1(71.59,118.26) v1(71.59,119.34) v1(71.59,120.35) ; 146.52,113.59 146.52,115.86 ; 146.52,115.86 v1(147.57,114.81) ; 146.52,115.86 v1(146.33,116.05) 144.59,117.79 144.59,126.64 ; 144.57,126.66 144.57,129.05 144.29,129.33 144.29,130.18 144.65,130.54 v1(144.65,134.52) v1(144.65,137.57) v1(144.65,141.01) ; 144.65,141.09 v1(144.65,142.12) ; 45.66,103.78 v1(45.66,104.55) 45.66,103.78 ; 45.66,103.78 v1(45.66,103.79) ; 138.03,117.18 v1(138.04,117.19) ; 138.03,117.18 v1(138.03,118.22) v1(138.03,119.32) v1(138.03,120.35) ; 138.03,117.18 v1(138.03,116.17) 138.03,115.23 v1(138.02,115.22) 138.03,115.21 v1(138.03,114.15) v1(138.03,110.75) v1(138.03,110.22) 138.03,108.17 138.77,107.43 v1(138.77,106.12) ; 133.22,131.5 132.19,130.47 132.19,128.47 129.86,126.14 129.86,124.58 129.31,124.03 129.31,122.07 127.9,120.66 127.9,117.79 127.26,117.15 127.26,116.39 128.4,115.25 v1(128.4,113.46) 127.99,113.05 127.99,110.05 128.6,109.44 128.6,109.16 130.03,107.73 130.03,106.03 131.47,104.59 131.47,104.34 ; 133.22,131.5 133.23,131.5 ; 133.22,131.5 133.22,132.88 v1(134.88,134.54) 135.26,134.92 v1(135.26,136.54) v1(135.26,138.07) 135.26,139.51 v1(134.81,139.96)
  B.FR4 w0.79: v1(155.68,142.79) 155.68,138.91 v1(154.39,137.62) 152.44,135.67 v1(152.44,134.89) 152.44,134.13 154.34,132.23 154.34,128.18 153.28,127.12 153.28,124.94 154.56,123.66 154.56,122.26 153.72,121.42 v1(153.72,120.3) 155.28,118.74 155.28,112.74 153.11,110.57 153.11,108.51 153.84,107.78 153.84,102.37 154.79,101.42 154.79,100.16 153,98.37 153,95.54 155.75,92.79 155.79,92.79 155.79,82.96 v2(155.64,82.81)
  B2.RO w0.15: v2(138.28,23.9) 137.73,23.35 137.73,22.49 R408.2
  B2.RO w0.2: R407.2 134.21,23.52 134.34,23.65 135.71,23.65 ; C92.1 145.31,17.37
  B2.RO w0.25: R312.1 144.66,15.23 ; v2(144.64,17) 144.73,16.92 v2(144.64,17) ; v2(144.64,17) 144.64,16.83 ; v2(144.64,17) 145.14,17.5 C92.1 ; v2(138.28,23.9) 137.62,23.24 136.88,23.24 ; 136.88,23.24 v2(136.89,23.24) ; 136.88,23.24 136.45,23.24 136.04,23.65 135.71,23.65 ; U163.1 123.7,8.56 123.21,8.06 C424.1 123.21,7.21 122.98,6.98 121.82,6.98 121.33,7.47 121.33,8.61 120.32,9.62 120.32,13.24 ; 120.32,13.24 120.52,13.04 121.25,13.04 121.57,13.36 U163.5 ; 120.32,13.24 119.17,14.39 119.17,16.87 ; 119.17,16.87 119.17,16.77 119.28,16.88 ; 119.17,16.87 119.4,17.1 123.13,17.1 R217.1
  B2.RO w0.3: 146.01,4.32 v2(146.01,4.32) 145.97,4.28 146,4.31 146,7.99 ; U12.16 145.31,18.61 C92.1 144.64,16.83 144.66,16.85 R312.1 146,13.89 ; v2(145.17,39.09) 145.16,39.09 ; 146,7.99 146,8.03 U11.16 C91.1 ; 146,7.99 146,8.28 ; 147.14,9.33 146,9.33 146,8.28 ; 146,8.28 146,13.89 ; 146,13.89 146.09,13.97 R84.2 ; C229.1 137.36,6.62 v2(137.36,6.2) ; v2(124.64,10.03) 124.17,9.56 U163.1 ; R58.2 137.94,4.09
  B2.RO w0.4: C229.1 136.04,7.94 U24.1 ; 139.95,2.75 138.3,2.75 137.94,3.11 R58.2 ; 139.95,2.75 140.21,3.01 140.21,3.08 ; 139.95,2.75 140.54,2.75 ; 142.5,3.03 142.22,2.75 141.78,2.75 ; 142.5,3.03 R71.2 ; 142.5,3.03 142.66,2.87 v2(142.72,2.87) 142.6,2.75 141.78,2.75 ; 141.78,2.75 140.54,2.75 ; 140.21,3.08 140.54,2.75 ; 140.21,3.08 R61.2 ; C631.1 155.91,24.32 v2(155.91,23.67) ; 147.19,9.28 147.14,9.33
  B2.RO w0.5: v2(134.2,22.32) 134.21,22.31 R407.2 ; v2(146.01,4.32) 145.85,4.16 R71.2
